# Altium PCB PROC114E3_BRD.PcbDoc (part 12 of 18) (continued)
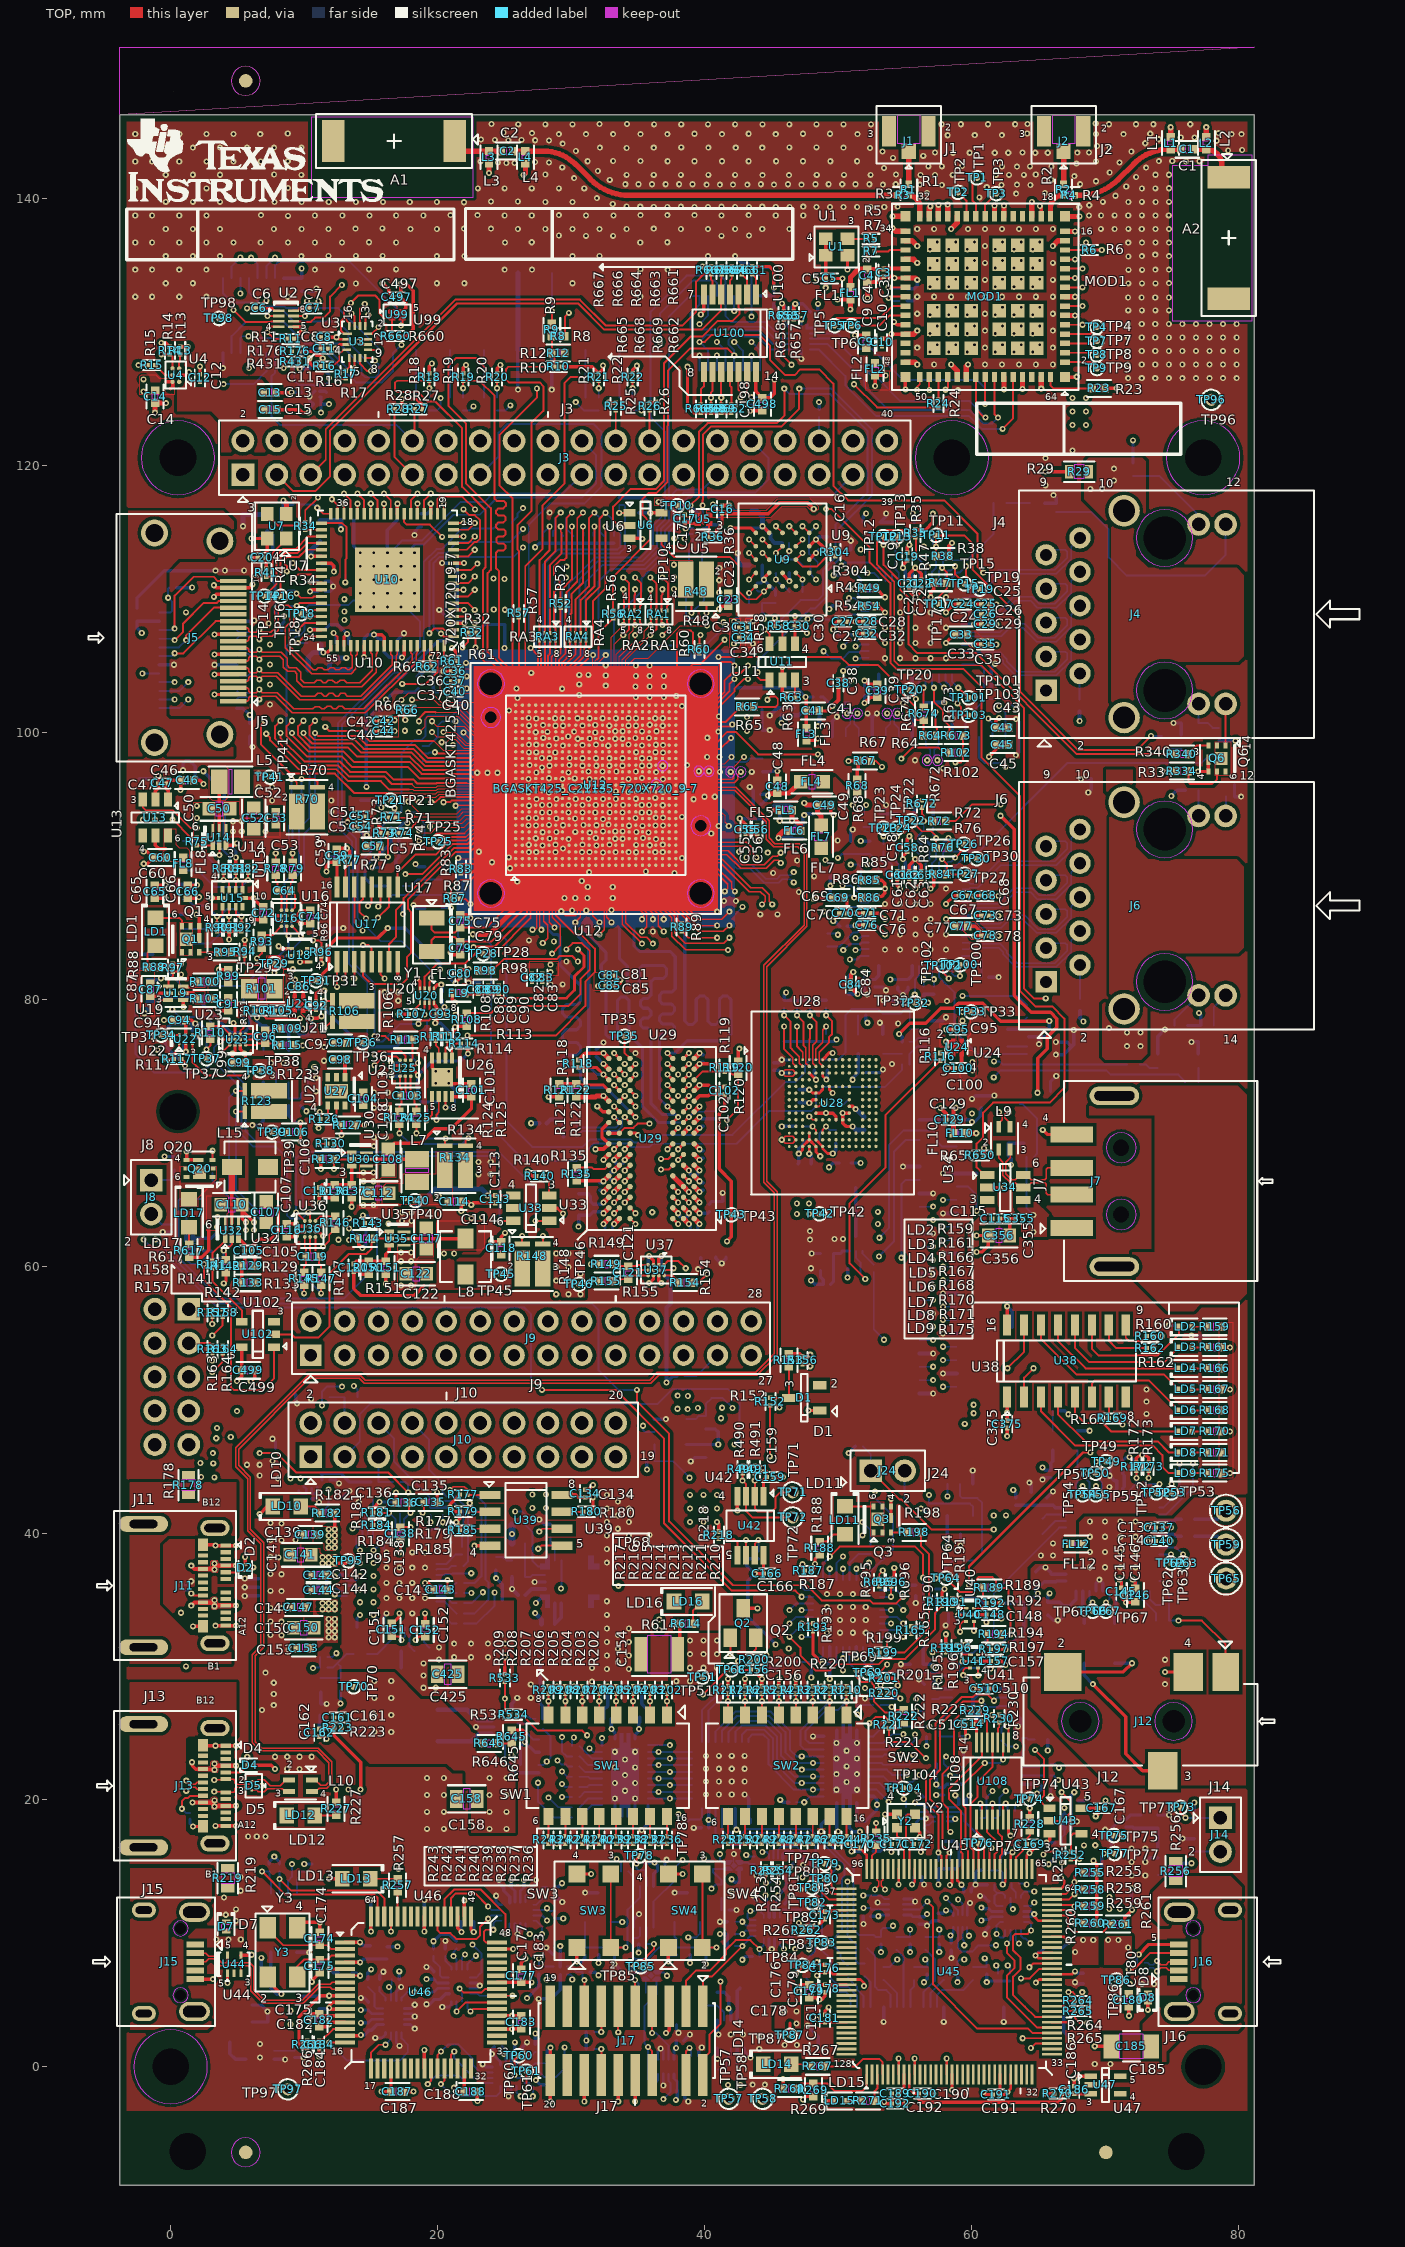
[diagram p0: TOP view]
## Nets (pads, with @x,y where several pads share a name; then routed paths per layer and width w, separated by ;. In a path a pad name is that pad's centre, name@x,y a point inside that pad or via, vN(x,y) a via of type N, cw(c..) or ccw(c..) an arc to the next point about the centre after c; other vN are vias at no path point) (continued)
SOC_VOUT0_DATA12:  | length 36.3
  TOP w0.081: 36.36,102.045 36.36,102.314 36.423,102.377 36.423,103.695 v1(36.961,104.233)
  TOP w0.147: 21.195,115.19 22.288,115.19 v1(22.788,115.69)
  L08_SIG2 w0.091: v1(22.788,115.69) 23.684,115.69 26.137,113.236 32.625,113.236 33.166,112.695 33.166,110.47 33.963,109.673 41.881,109.673 42.608,108.945 42.608,107.999 42.298,107.688 41.304,107.688 39.931,106.315 39.043,106.315 v1(36.961,104.233)
SOC_VOUT0_DATA13:  | length 36.4
  TOP w0.081: 35.86,101.545 36.109,101.794 36.109,102.346 36.248,102.485 36.248,103.092 v1(35.898,103.443)
  TOP w0.147: 21.195,114.69 v1(21.944,114.69)
  L08_SIG2 w0.091: v1(21.944,114.69) 21.944,115.137 22.047,115.241 23.287,115.241 23.367,115.16 23.367,114.974 23.448,114.894 23.562,114.894 23.642,114.974 23.642,115.16 23.722,115.241 23.849,115.241 26.051,113.039 32.485,113.039 32.973,112.551 32.973,110.385 33.891,109.467 40.36,109.467 40.943,108.884 40.943,108.742 40.863,108.661 40.662,108.661 40.582,108.581 40.582,108.467 40.662,108.387 40.863,108.387 40.943,108.307 40.943,108.193 40.863,108.113 40.662,108.113 40.582,108.033 40.582,107.919 40.662,107.838 40.863,107.838 40.943,107.758 40.943,107.587 40.852,107.496 40.401,107.496 40.283,107.377 40.283,106.925 39.874,106.516 38.966,106.516 37.167,104.717 36.856,104.717 36.315,104.176 36.315,103.86 v1(35.898,103.443)
SOC_VOUT0_DATA14:  | length 37.9
  TOP w0.102: 35.361,100.545 35.87,100.545 v1(35.903,100.578)
  TOP w0.147: 21.195,114.19 22.288,114.19 v1(22.788,114.69)
  L08_SIG2 w0.091: v1(22.788,114.69) 24.01,114.69 25.856,112.843 30.248,112.843 30.328,112.763 30.328,112.503 30.408,112.423 30.522,112.423 30.602,112.503 30.602,112.763 30.682,112.843 30.796,112.843 30.876,112.763 30.876,112.503 30.957,112.423 31.071,112.423 31.151,112.503 31.151,112.763 31.231,112.843 31.345,112.843 31.425,112.763 31.425,112.503 31.505,112.423 31.619,112.423 31.699,112.503 31.699,112.763 31.78,112.843 32.337,112.843 32.779,112.401 32.779,110.288 33.805,109.263 38.421,109.263 38.641,109.043 38.641,108.173 38.739,108.075 39.259,108.075 39.339,107.994 39.339,107.881 39.259,107.8 38.739,107.8 38.658,107.72 38.658,107.606 38.739,107.526 39.259,107.526 39.339,107.446 39.339,107.332 39.259,107.252 38.739,107.252 38.658,107.171 38.658,107.058 38.739,106.977 39.259,106.977 39.339,106.897 39.339,106.783 39.259,106.703 38.739,106.703 38.658,106.623 38.658,106.467 37.162,104.971 36.664,104.971 36.328,104.636 35.616,104.636 35.525,104.545 35.525,100.957 v1(35.903,100.578)
SOC_VOUT0_DATA15:  | length 39.4
  TOP w0.147: 21.195,113.69 22.206,113.69 22.618,114.102 22.618,114.104 22.801,114.286 22.955,114.286 23.191,114.523 23.191,115.886 22.796,116.282 22.379,116.282 v1(21.944,116.718) ; v1(35.323,100.079) 35.356,100.045 35.86,100.045
  L03_SIG1 w0.091: v1(21.944,116.718) 22.39,117.164 25.069,117.164 25.447,116.785 25.447,113.4 29.312,109.535 37.321,109.535 39.078,107.777 39.078,105.989 38.06,104.972 38.06,103.48 37.51,102.929 37.51,101.764 37.415,101.669 35.449,101.669 35.323,101.542 v1(35.323,100.079)
SOC_VOUT0_DATA16:  | length 38.5
  TOP w0.081: 32.86,101.545 33.112,101.796 33.112,102.325 33.235,102.448 33.235,106.602 v1(33.92,107.287)
  TOP w0.147: 21.195,113.19 22.288,113.19 v1(22.788,113.69) ; v1(33.92,107.287) 34.363,107.731 34.363,108.573
  L08_SIG2 w0.091: v1(22.788,113.69) 22.412,113.69 22.264,113.838 20.876,113.838 20.735,113.697 20.735,113.225 20.827,113.133 21,113.133 21.08,113.214 21.08,113.5 21.16,113.58 21.274,113.58 21.354,113.5 21.354,113.214 21.435,113.133 21.548,113.133 21.629,113.214 21.629,113.5 21.709,113.58 21.823,113.58 21.903,113.5 21.903,113.214 21.983,113.133 23.027,113.133 23.755,113.861 23.949,113.861 24.068,113.742 24.068,113.629 23.836,113.397 23.836,113.284 23.917,113.203 24.03,113.203 24.262,113.435 24.376,113.435 24.456,113.354 24.456,113.241 24.224,113.009 24.224,112.896 24.305,112.815 24.418,112.815 24.65,113.047 24.764,113.047 24.845,112.966 24.845,112.853 24.612,112.621 24.612,112.508 24.693,112.427 24.806,112.427 25.039,112.659 25.152,112.659 25.233,112.578 25.233,112.465 25,112.233 25,112.119 25.081,112.039 25.195,112.039 25.427,112.271 25.54,112.271 25.738,112.072 25.738,111.846 25.818,111.766 25.932,111.766 26.012,111.846 26.012,112.118 26.092,112.198 26.206,112.198 26.286,112.118 26.286,111.846 26.366,111.766 26.48,111.766 26.561,111.846 26.561,112.118 26.641,112.198 26.755,112.198 26.835,112.118 26.835,111.846 26.915,111.766 27.029,111.766 27.109,111.846 27.109,112.118 27.189,112.198 27.303,112.198 27.383,112.118 27.383,111.846 27.464,111.766 27.578,111.766 27.658,111.846 27.658,112.118 27.738,112.198 27.998,112.198 28.132,112.065 28.132,111.952 27.999,111.819 27.999,111.706 28.08,111.625 28.193,111.625 28.326,111.757 28.439,111.757 28.52,111.677 28.52,111.563 28.388,111.431 28.388,111.318 28.468,111.237 28.582,111.237 28.714,111.369 28.827,111.369 29.174,111.023 32.027,111.023 32.148,110.902 32.148,109.908 33.444,108.611 34.241,108.611 34.332,108.52 34.332,107.7 v1(33.92,107.287)
SOC_VOUT0_DATA17:  | length 37.8
  TOP w0.081: 32.86,102.045 32.86,102.529 33.014,102.682 33.014,107.134 v1(33.92,108.04)
  TOP w0.147: 21.195,112.19 22.528,112.19 v1(22.987,112.649) ; v1(33.92,108.04) 33.963,108.083 33.963,108.573
  L08_SIG2 w0.091: v1(22.987,112.649) 23.283,112.649 23.395,112.761 23.395,113.098 23.492,113.195 23.622,113.195 23.703,113.114 23.703,112.874 23.786,112.791 24.047,112.791 24.149,112.689 24.149,112.575 24.069,112.495 23.819,112.495 23.739,112.415 23.739,112.301 23.819,112.221 24.406,112.221 24.494,112.132 24.494,112.019 24.414,111.939 23.9,111.939 23.808,111.847 23.808,110.881 23.899,110.789 24.15,110.789 24.231,110.87 24.231,111.017 24.311,111.097 24.425,111.097 24.505,111.017 24.505,110.87 24.585,110.789 24.699,110.789 24.779,110.87 24.779,111.017 24.859,111.097 24.973,111.097 25.054,111.017 25.054,110.87 25.134,110.789 25.333,110.789 25.414,110.87 25.414,111.508 25.494,111.588 25.608,111.588 25.688,111.508 25.688,110.87 25.768,110.789 25.882,110.789 25.962,110.87 25.962,111.508 26.043,111.588 26.156,111.588 26.237,111.508 26.237,110.87 26.317,110.789 26.431,110.789 26.511,110.87 26.511,111.508 26.591,111.588 26.705,111.588 26.785,111.508 26.785,110.87 26.866,110.789 26.979,110.789 27.06,110.87 27.06,111.508 27.14,111.588 27.254,111.588 27.334,111.508 27.334,110.87 27.414,110.789 27.528,110.789 27.608,110.87 27.608,111.508 27.689,111.588 27.802,111.588 27.883,111.508 27.883,110.876 27.963,110.796 28.063,110.796 28.144,110.876 28.144,111.005 28.224,111.085 28.338,111.085 28.418,111.005 28.418,110.876 28.498,110.796 28.932,110.796 29.013,110.715 29.013,110.444 29.093,110.364 29.207,110.364 29.287,110.444 29.287,110.715 29.367,110.796 29.481,110.796 29.561,110.715 29.561,110.444 29.642,110.364 29.755,110.364 29.836,110.444 29.836,110.715 29.916,110.796 30.03,110.796 30.11,110.715 30.11,110.444 30.19,110.364 30.304,110.364 30.384,110.444 30.384,110.715 30.465,110.796 30.578,110.796 30.659,110.715 30.659,110.444 30.739,110.364 30.853,110.364 30.933,110.444 30.933,110.715 31.013,110.796 31.127,110.796 31.207,110.715 31.207,110.444 31.287,110.364 31.401,110.364 31.482,110.444 31.482,110.715 31.562,110.796 31.863,110.796 31.954,110.704 31.954,109.74 33.379,108.316 33.644,108.316 v1(33.92,108.04)
SOC_VOUT0_DATA18:  | length 37.8
  TOP w0.081: 33.361,102.045 33.361,102.194 33.397,102.231 33.397,105.857 34.352,106.812 34.352,107.369 34.654,107.67 34.654,107.88 v1(34.814,108.04)
  TOP w0.147: 21.195,111.69 v1(21.944,111.69) ; 34.763,108.573 34.763,108.091 v1(34.814,108.04)
  L08_SIG2 w0.091: v1(21.944,111.69) 20.256,111.69 20.15,111.796 20.15,112.172 20.242,112.263 20.375,112.263 20.455,112.183 20.455,112.03 20.535,111.949 20.649,111.949 20.729,112.03 20.729,112.183 20.81,112.263 20.924,112.263 21.004,112.183 21.004,112.03 21.084,111.949 21.198,111.949 21.278,112.03 21.278,112.183 21.358,112.263 23.45,112.263 23.541,112.172 23.541,112.073 23.461,111.993 23.243,111.993 23.163,111.912 23.163,111.799 23.243,111.718 23.461,111.718 23.541,111.638 23.541,111.524 23.461,111.444 23.243,111.444 23.163,111.364 23.163,111.25 23.243,111.17 23.461,111.17 23.541,111.089 23.541,110.976 23.461,110.895 23.272,110.895 23.192,110.815 23.192,110.701 23.272,110.621 23.461,110.621 23.541,110.541 23.541,110.423 23.802,110.162 23.956,110.162 24.036,110.242 24.036,110.502 24.117,110.582 24.23,110.582 24.311,110.502 24.311,110.242 24.391,110.162 24.505,110.162 24.585,110.242 24.585,110.502 24.665,110.582 24.779,110.582 24.859,110.502 24.859,110.242 24.939,110.162 25.053,110.162 25.134,110.242 25.134,110.502 25.214,110.582 25.328,110.582 25.408,110.502 25.408,110.242 25.488,110.162 25.602,110.162 25.682,110.242 25.682,110.502 25.762,110.582 25.876,110.582 25.957,110.502 25.957,110.242 26.037,110.162 26.151,110.162 26.231,110.242 26.231,110.502 26.311,110.582 26.425,110.582 26.505,110.502 26.505,110.242 26.585,110.162 26.699,110.162 26.779,110.242 26.779,110.502 26.86,110.582 26.974,110.582 27.054,110.502 27.054,110.242 27.134,110.162 27.248,110.162 27.328,110.242 27.328,110.502 27.408,110.582 27.522,110.582 27.602,110.502 27.602,110.242 27.683,110.162 27.796,110.162 27.877,110.242 27.877,110.502 27.957,110.582 28.071,110.582 28.151,110.502 28.151,110.242 28.231,110.162 28.345,110.162 28.425,110.242 28.425,110.502 28.506,110.582 28.619,110.582 28.7,110.502 28.7,110.242 28.78,110.162 31.615,110.162 31.761,110.015 31.761,109.643 33.515,107.889 33.515,107.161 33.744,106.931 34.184,106.931 34.275,107.023 34.275,107.282 34.548,107.555 34.548,107.774 v1(34.814,108.04)
SOC_VOUT0_DATA19:  | length 38.4
  TOP w0.102: 32.86,100.045 33.276,100.045 v1(33.318,100.087)
  TOP w0.147: 21.195,111.19 22.288,111.19 v1(22.788,111.69) ; v1(36.846,107.287) 37.288,107.729 37.288,108.152 37.195,108.245 37.195,108.573
  L08_SIG2 w0.091: v1(22.788,111.69) 22.364,111.266 22.364,110.278 22.258,110.172 21.626,110.172 21.517,110.063 21.517,109.913 21.629,109.802 23.027,109.802 24.041,108.789 25.394,108.789 25.474,108.869 25.474,109.36 25.555,109.44 25.668,109.44 25.749,109.36 25.749,108.869 25.829,108.789 25.943,108.789 26.023,108.869 26.023,109.36 26.103,109.44 26.217,109.44 26.297,109.36 26.297,108.869 26.378,108.789 32.069,108.789 33.059,107.799 33.059,106.962 33.467,106.554 34.749,106.554 35.193,106.998 35.193,108.086 35.716,108.609 36.863,108.609 37.229,108.243 37.229,107.67 v1(36.846,107.287) 36.846,106.911 36.434,106.499 36.031,106.499 35.151,105.619 34.405,105.619 33.732,104.946 33.732,100.5 v1(33.318,100.087)
SOC_VOUT0_DATA20:  | length 37.8
  TOP w0.102: 33.361,100.545 v1(33.361,101.061)
  TOP w0.147: 21.195,110.69 v1(21.944,110.69) ; 36.795,108.573 36.795,108.091 v1(36.846,108.04)
  L08_SIG2 w0.091: v1(21.944,110.69) 21.944,111.15 21.736,111.357 20.269,111.357 20.178,111.266 20.178,110.894 21.474,109.597 22.929,109.597 23.933,108.594 24.104,108.594 24.184,108.513 24.184,108.431 24.264,108.351 24.378,108.351 24.458,108.431 24.458,108.513 24.539,108.594 24.652,108.594 24.733,108.513 24.733,108.431 24.813,108.351 24.927,108.351 25.007,108.431 25.007,108.513 25.087,108.594 25.201,108.594 25.281,108.513 25.281,108.431 25.362,108.351 25.475,108.351 25.556,108.431 25.556,108.513 25.636,108.594 25.75,108.594 25.83,108.513 25.83,108.431 25.91,108.351 26.024,108.351 26.104,108.431 26.104,108.513 26.185,108.594 26.298,108.594 26.379,108.513 26.379,108.431 26.459,108.351 26.573,108.351 26.653,108.431 26.653,108.513 26.733,108.594 26.847,108.594 26.927,108.513 26.927,108.431 27.008,108.351 27.121,108.351 27.202,108.431 27.202,108.513 27.282,108.594 27.396,108.594 27.476,108.513 27.476,108.431 27.556,108.351 27.67,108.351 27.75,108.431 27.75,108.513 27.831,108.594 27.944,108.594 28.025,108.513 28.025,108.431 28.105,108.351 28.219,108.351 28.299,108.431 28.299,108.513 28.379,108.594 28.493,108.594 28.573,108.513 28.573,108.431 28.653,108.351 28.767,108.351 28.848,108.431 28.848,108.513 28.928,108.594 29.042,108.594 29.122,108.513 29.122,108.431 29.202,108.351 29.316,108.351 29.396,108.431 29.396,108.513 29.476,108.594 29.59,108.594 29.671,108.513 29.671,108.431 29.751,108.351 29.865,108.351 29.945,108.431 29.945,108.513 30.025,108.594 30.139,108.594 30.219,108.513 30.219,108.431 30.299,108.351 30.413,108.351 30.493,108.431 30.493,108.513 30.574,108.594 31.991,108.594 32.812,107.773 32.812,106.95 33.391,106.371 34.831,106.371 35.386,106.926 35.386,108.006 35.796,108.416 36.47,108.416 v1(36.846,108.04) 36.426,107.62 36.426,106.999 36.221,106.794 36.067,106.794 35.075,105.801 34.262,105.801 33.361,104.9 v1(33.361,101.061)
SOC_VOUT0_DATA21:  | length 39.5
  TOP w0.081: 33.361,101.545 33.612,101.796 33.612,105.672 34.814,106.874 v1(34.814,107.287)
  TOP w0.147: 21.195,110.19 22.288,110.19 v1(22.788,110.69) ; v1(34.814,107.287) 35.256,107.729 35.256,108.152 35.163,108.245 35.163,108.573
  L08_SIG2 w0.091: v1(22.788,110.69) 23.054,110.424 23.054,110.147 23.566,109.635 24.223,109.635 24.303,109.715 24.303,109.88 24.384,109.961 24.498,109.961 24.578,109.88 24.578,109.715 24.658,109.635 24.772,109.635 24.852,109.715 24.852,109.88 24.932,109.961 25.046,109.961 25.126,109.88 25.126,109.715 25.207,109.635 25.32,109.635 25.401,109.715 25.401,109.88 25.481,109.961 25.595,109.961 25.675,109.88 25.675,109.715 25.755,109.635 25.869,109.635 25.949,109.715 25.949,109.88 26.03,109.961 26.143,109.961 26.224,109.88 26.224,109.715 26.304,109.635 26.498,109.635 26.59,109.726 26.59,109.834 26.681,109.925 26.801,109.925 26.881,109.845 26.881,109.094 26.961,109.014 27.075,109.014 27.155,109.094 27.155,109.845 27.236,109.925 27.349,109.925 27.43,109.845 27.43,109.094 27.51,109.014 27.624,109.014 27.704,109.094 27.704,109.845 27.784,109.925 27.898,109.925 27.978,109.845 27.978,109.094 28.059,109.014 28.172,109.014 28.253,109.094 28.253,109.845 28.333,109.925 28.447,109.925 28.527,109.845 28.527,109.094 28.607,109.014 28.721,109.014 28.801,109.094 28.801,109.845 28.882,109.925 28.995,109.925 29.076,109.845 29.076,109.094 29.156,109.014 29.27,109.014 29.35,109.094 29.35,109.845 29.43,109.925 29.544,109.925 29.624,109.845 29.624,109.094 29.705,109.014 29.818,109.014 29.899,109.094 29.899,109.845 29.979,109.925 30.093,109.925 30.173,109.845 30.173,109.094 30.253,109.014 30.367,109.014 30.447,109.094 30.447,109.845 30.527,109.925 30.641,109.925 30.722,109.845 30.722,109.094 30.802,109.014 30.916,109.014 30.996,109.094 30.996,109.845 31.076,109.925 31.206,109.925 33.284,107.847 33.284,107.002 33.549,106.737 34.391,106.737 34.548,106.894 34.548,107.021 v1(34.814,107.287)
SOC_VOUT0_DATA22:  | length 38.1
  TOP w0.081: 33.86,102.045 33.86,105.445 35.501,107.085 35.501,107.589 v1(35.952,108.04)
  TOP w0.147: 21.195,109.69 22.288,109.69 v1(22.788,109.19) ; v1(35.952,108.04) 35.995,108.083 35.995,108.573
  L08_SIG2 w0.091: v1(22.788,109.19) 23.911,108.067 27.247,108.067 27.327,107.987 27.327,107.342 27.407,107.262 27.521,107.262 27.601,107.342 27.601,107.987 27.681,108.067 27.795,108.067 27.875,107.987 27.875,107.342 27.956,107.262 28.07,107.262 28.15,107.342 28.15,107.987 28.23,108.067 28.344,108.067 28.424,107.987 28.424,107.342 28.504,107.262 28.618,107.262 28.698,107.342 28.698,107.987 28.779,108.067 28.892,108.067 28.973,107.987 28.973,107.342 29.053,107.262 29.167,107.262 29.247,107.342 29.247,107.987 29.327,108.067 29.441,108.067 29.521,107.987 29.521,107.342 29.602,107.262 29.715,107.262 29.796,107.342 29.796,107.987 29.876,108.067 29.99,108.067 30.07,107.987 30.07,107.342 30.15,107.262 30.264,107.262 30.344,107.342 30.344,107.987 30.425,108.067 30.538,108.067 30.619,107.987 30.619,107.342 30.699,107.262 30.813,107.262 30.893,107.342 30.893,107.987 30.973,108.067 31.087,108.067 31.167,107.987 31.167,107.342 31.248,107.262 31.361,107.262 31.442,107.342 31.442,107.987 31.522,108.067 31.636,108.067 31.716,107.987 31.716,107.342 31.796,107.262 31.91,107.262 31.99,107.342 31.99,107.987 32.071,108.067 32.242,108.067 32.562,107.747 32.562,106.942 33.315,106.188 34.92,106.188 35.585,106.853 35.585,107.673 v1(35.952,108.04)
SOC_VOUT0_DATA23:  | length 38.8
  TOP w0.081: 33.86,101.545 34.111,101.795 34.111,105.446 v1(35.952,107.287)
  TOP w0.147: 21.195,108.69 22.288,108.69 v1(22.788,108.19) ; v1(35.952,107.287) 36.395,107.731 36.395,108.573
  L08_SIG2 w0.091: v1(22.788,108.19) 23.218,107.76 26.392,107.76 26.472,107.679 26.472,107.064 26.552,106.984 26.666,106.984 26.746,107.064 26.746,107.679 26.827,107.76 26.974,107.76 27.087,107.647 27.087,107.096 27.247,106.936 28.875,106.936 28.955,106.856 28.955,106.277 29.035,106.196 29.149,106.196 29.229,106.277 29.229,106.856 29.31,106.936 29.423,106.936 29.504,106.856 29.504,106.277 29.584,106.196 29.698,106.196 29.778,106.277 29.778,106.856 29.858,106.936 29.972,106.936 30.052,106.856 30.052,106.277 30.133,106.196 30.246,106.196 30.327,106.277 30.327,106.856 30.407,106.936 30.521,106.936 30.601,106.856 30.601,106.277 30.681,106.196 30.795,106.196 30.875,106.277 30.875,106.856 30.955,106.936 31.069,106.936 31.15,106.856 31.15,106.277 31.23,106.196 31.344,106.196 31.424,106.277 31.424,106.856 31.504,106.936 31.618,106.936 31.698,106.856 31.698,106.277 31.778,106.196 31.892,106.196 31.973,106.277 31.973,106.856 32.053,106.936 32.213,106.936 32.349,106.8 32.349,106.171 32.183,106.006 32.183,104.048 32.326,103.904 33.004,103.904 33.106,104.006 33.106,105.914 33.198,106.005 34.997,106.005 35.803,106.811 35.803,107.138 v1(35.952,107.287)
SOC_VOUT0_DE:  | length 38.1
  TOP w0.147: v1(12.995,117.907) 13.495,117.407 13.495,116.39 ; 35.361,99.545 35.795,99.545 35.838,99.588 v1(35.853,99.588)
  L03_SIG1 w0.091: v1(12.995,117.907) 13.371,117.907 13.746,117.531 14.147,117.531 14.371,117.307 14.371,116.806 16.664,114.513 16.664,110.449 17.312,109.801 22.724,109.801 24.756,107.769 32.29,107.769 33.705,106.354 33.705,104.572 v1(34.834,103.443)
  BOTTOM w0.102: 35.422,100.512 35.853,100.081 v1(35.853,99.588)
  BOTTOM w0.147: v1(34.834,103.443) 35.422,102.855 35.422,100.512
SOC_VOUT0_HSYNC:  | length 38.8
  TOP w0.081: 36.36,101.545 36.611,101.796 36.611,103.092 v1(36.961,103.443)
  TOP w0.147: 12.995,116.39 v1(12.995,117.139)
  L03_SIG1 w0.091: v1(12.995,117.139) 13.745,116.389 14.332,116.389 15.853,114.868 15.853,109.1 16.164,108.789 22.725,108.789 24.122,107.392 32.408,107.392 33.522,106.278 33.522,103.964 34.089,103.398 34.089,102.746 34.557,102.278 36.191,102.278 36.569,102.655 36.569,103.05 v1(36.961,103.443)
SOC_VOUT0_PCLK:  | length 9.6
  TOP w0.081: 36.86,101.545 37.109,101.794 37.109,102.242 37.516,102.649 37.516,103.166
  TOP w0.147: 37.516,103.166 37.93,103.58 37.93,107.409 38.144,107.623 38.984,107.623 39.15,107.458 39.15,106.06 39.283,105.927 39.628,105.927
SOC_VOUT0_VSYNC:  | length 39.3
  TOP w0.081: 36.86,102.045 36.86,102.552 v1(36.961,102.653)
  TOP w0.147: v1(12.079,117.479) 12.495,117.063 12.495,116.39
  L03_SIG1 w0.091: v1(12.079,117.479) 12.345,117.213 12.345,117.009 13.237,116.117 14.296,116.117 15.64,114.773 15.64,108.799 15.868,108.57 21.334,108.57 21.624,108.28 21.624,107.333 21.748,107.209 32.332,107.209 33.34,106.202 33.34,103.888 33.906,103.322 33.906,102.609 34.422,102.093 36.402,102.093 v1(36.961,102.653)
SOC_WARM_RESETZ:  | length 140.4
  TOP w0.102: v1(27.923,99.591) 27.969,99.545 28.36,99.545
  TOP w0.147: 35.213,7.496 35.213,7.803 36.209,8.799 v1(36.209,9.198)
  L03_SIG1 w0.091: v1(27.923,99.591) 27.28,99.591 27.076,99.795 26.647,99.795 25.668,98.816 21.917,98.816 21.296,99.437 20.931,99.437 20.769,99.275 20.769,98.662 19.967,97.861 16.078,97.861 13.933,95.716 13.933,92.592 12.485,91.144 12.485,89.578 11.909,89.002 11.36,89.002 8.879,86.52 8.879,85.634 6.841,83.596 6.841,78.467 6.826,78.452 6.826,61.069 5.596,59.84 5.596,49.941 5.876,49.661 5.876,46.693 4.916,45.733 4.916,43.445 5.832,42.53 7.076,42.53 9.779,39.827 9.779,32.461 9.539,32.221 9.539,25.31 11.031,23.818 11.031,17.881 16.092,12.82 16.092,11.364 20.131,7.325 20.131,6.844 21.981,4.994 24.507,4.994 24.787,4.714 32.036,4.714 36.209,8.887 v1(36.209,9.198)
  BOTTOM w0.147: 35.683,10.441 35.683,9.721 35.632,9.67 35.632,9.198 v1(36.209,9.198)
SPI_HOLDN:  | length 1.6
  TOP w0.147: 29.333,41.59 30.895,41.59
SPI_WPN:  | length 1.8
  TOP w0.147: 22.219,40.193 22.572,40.193 22.699,40.32 23.933,40.32
SW_1V8_IO:  | length 3.7
  TOP w0.254: 3.646,92.641 3.646,96.302
SW_2V5:  | length 3.7
  BOTTOM w0.254: 51.347,62.238 51.347,65.898
SW_RCORE:  | length 4.2
  TOP w0.254: 4.585,63.199 4.585,65.54
  TOP w0.508: 4.585,65.54 4.585,67.425
SW_VCC1V2:  | length 3.8
  TOP w0.254: 14.667,68.006 18.454,68.006
SW_VDD_CORE:  | length 4.6
  TOP w0.254: 17.487,62.062 22.087,62.062
SYS_BOOTMODE0:  | length 13.5
  TOP w0.147: 37.2,26.375 v1(37.2,27.391) 37.2,27.95
  L03_SIG1 w0.091: v1(37.2,27.391) 38.887,25.704 38.887,21.579 v1(37.413,20.104)
  BOTTOM w0.147: 35.775,20.104 v1(37.413,20.104) 39.069,20.104
SYS_BOOTMODE1:  | length 14.6
  TOP w0.147: 35.93,26.375 v1(35.93,27.391) 35.93,27.95
  L03_SIG1 w0.091: v1(35.93,27.391) 36.54,27.391 38.659,25.273 38.659,21.641 37.622,20.604 v1(36.575,20.604)
  BOTTOM w0.147: 35.775,20.604 v1(36.575,20.604) 39.069,20.604
SYS_BOOTMODE2:  | length 14.2
  TOP w0.147: 34.66,26.375 v1(34.66,27.391) 34.66,27.95
  L03_SIG1 w0.091: v1(34.66,27.391) 35.076,26.975 36.551,26.975 38.456,25.07 38.456,21.844 37.715,21.104 v1(37.413,21.104)
  BOTTOM w0.147: 35.775,21.104 v1(37.413,21.104) 39.069,21.104
SYS_BOOTMODE3:  | length 15.5
  TOP w0.147: 33.39,26.375 v1(33.39,27.391) 33.39,27.95
  L03_SIG1 w0.091: v1(33.39,27.391) 34.086,26.695 36.475,26.695 38.252,24.918 38.252,22.098 37.759,21.604 v1(36.575,21.604)
  BOTTOM w0.147: 35.775,21.604 v1(36.575,21.604) 39.069,21.604
SYS_BOOTMODE4:  | length 15
  TOP w0.147: 32.12,26.375 v1(32.12,27.391) 32.12,27.95
  L03_SIG1 w0.091: v1(32.12,27.391) 33.009,26.502 36.312,26.502 38.044,24.77 38.044,22.372 37.776,22.104 v1(37.413,22.104)
  BOTTOM w0.147: 35.775,22.104 v1(37.413,22.104) 39.069,22.104
SYS_BOOTMODE5:  | length 16.2
  TOP w0.147: 30.85,26.375 v1(30.85,27.391) 30.85,27.95
  L03_SIG1 w0.091: v1(30.85,27.391) 31.977,26.264 36.22,26.264 37.851,24.633 37.851,22.865 37.59,22.604 v1(36.575,22.604)
  BOTTOM w0.147: 35.775,22.604 v1(36.575,22.604) 39.069,22.604
SYS_BOOTMODE6:  | length 15.3
  TOP w0.147: 29.58,26.375 v1(29.58,27.391) 29.58,27.95
  L03_SIG1 w0.091: v1(29.58,27.391) 30.9,26.071 35.789,26.071 36.906,24.953 36.906,23.986 37.084,23.809 37.084,23.433 v1(37.413,23.104)
  BOTTOM w0.147: 35.775,23.104 v1(37.413,23.104) 39.069,23.104
SYS_BOOTMODE7:  | length 15.3
  TOP w0.147: 28.31,26.375 v1(28.31,27.391) 28.31,27.95
  L03_SIG1 w0.091: v1(28.31,27.391) 29.869,25.832 35.382,25.832 36.575,24.639 v1(36.575,23.604)
  BOTTOM w0.147: 35.775,23.604 v1(36.575,23.604) 39.069,23.604
SYS_BOOTMODE8:  | length 21.8
  TOP w0.147: 50.662,26.375 v1(50.662,27.391) 50.662,27.95
  BOTTOM w0.147: 39.818,24.354 39.818,26.712 41.25,28.143 48.489,28.143 48.743,27.889 50.164,27.889 v1(50.662,27.391) 49.991,26.721 49.138,26.721 47.574,25.157 47.574,24.536 47.846,24.265 48.937,24.265
SYS_BOOTMODE9:  | length 19.7
  TOP w0.147: 49.392,26.375 v1(49.392,27.391) 49.392,27.95
  BOTTOM w0.147: 40.318,24.354 40.318,26.704 41.453,27.838 48.336,27.838 48.783,27.391 v1(49.392,27.391) 47.193,25.193 47.193,24.105 47.533,23.764 48.937,23.764
SYS_BOOTMODE10:  | length 17.8
  TOP w0.147: 48.122,26.375 v1(48.122,27.391) 48.122,27.95
  L03_SIG1 w0.091: v1(47.299,23.265) 47.299,26.569 v1(48.122,27.391)
  BOTTOM w0.147: 40.818,24.354 40.818,25.117 42.315,26.614 44.987,26.614 46.405,25.197 46.405,23.774 46.914,23.265 v1(47.299,23.265) 48.937,23.265
SYS_BOOTMODE11:  | length 18.8
  TOP w0.147: 46.852,26.375 v1(46.852,27.391) 46.852,27.95
  L03_SIG1 w0.091: v1(46.852,27.391) 46.457,26.996 46.457,23.571 47.263,22.764 v1(48.137,22.764)
  BOTTOM w0.147: 41.318,24.354 41.318,25.186 42.407,26.274 44.87,26.274 46.064,25.08 46.064,23.569 46.868,22.764 v1(48.137,22.764) 48.937,22.764
SYS_BOOTMODE12:  | length 18.1
  TOP w0.147: 45.582,26.375 v1(45.582,27.391) 45.582,27.95
  L03_SIG1 w0.091: v1(45.582,27.391) 45.582,23.982 v1(47.299,22.265)
  BOTTOM w0.147: 41.818,24.354 41.818,25.101 42.635,25.918 44.743,25.918 45.749,24.912 45.749,23.299 46.784,22.265 v1(47.299,22.265) 48.937,22.265
SYS_BOOTMODE13:  | length 19.5
  TOP w0.147: 44.312,26.375 v1(44.312,27.391) 44.312,27.95
  L03_SIG1 w0.091: v1(44.312,27.391) 44.312,24.573 47.12,21.764 v1(48.137,21.764)
  BOTTOM w0.147: 42.318,24.354 42.318,25.093 42.788,25.563 44.617,25.563 45.455,24.725 45.455,23.061 46.751,21.764 v1(48.137,21.764) 48.937,21.764
SYS_BOOTMODE14:  | length 18.9
  TOP w0.147: 43.042,26.375 v1(43.042,27.391) 43.042,27.95
  L03_SIG1 w0.091: v1(43.042,27.391) 43.042,25.522 v1(47.299,21.265)
  BOTTOM w0.147: 42.818,24.354 42.818,24.882 43.194,25.258 44.489,25.258 45.124,24.623 45.124,22.921 46.781,21.265 v1(47.299,21.265) 48.937,21.265
SYS_BOOTMODE15:  | length 20.2
  TOP w0.147: 41.772,26.375 v1(41.772,27.391) 41.772,27.95
  L03_SIG1 w0.091: v1(41.772,27.391) 41.772,26.148 47.155,20.764 v1(48.137,20.764)
  BOTTOM w0.147: 43.318,24.354 43.318,24.62 43.6,24.902 44.413,24.902 44.815,24.5 44.815,22.659 46.709,20.764 v1(48.137,20.764) 48.937,20.764
SYSBOOT_BUF_ENZ:  | length 22.3
  TOP w0.147: 54.924,25.762 54.962,25.762 54.564,25.364 53.828,25.364 53.828,24.633 54.127,24.333 55.397,24.333 v1(56.604,23.127) ; v1(64.77,23.749) 65.456,23.063 65.456,20.345 65.278,20.168 65.278,19.787 65.694,19.37 65.872,19.37
  L03_SIG1 w0.091: v1(56.604,23.127) 60.35,26.873 62.89,26.873 64.389,25.375 64.389,24.13 v1(64.77,23.749)
TCA6424_EXP_INT:  | length 2
  BOTTOM w0.147: 38.622,18.261 38.888,18.527 39.638,18.527 39.818,18.707 39.818,19.354
TEMP_DIODE_P: 
TEST_GPIO1:  | length 41.2
  L03_SIG1 w0.091: v1(56.554,8.044) 57.139,8.628 57.139,10.526 57.57,10.958 57.57,12.736 57.875,13.04 58.459,13.04 58.782,13.363 58.782,14.633 59.425,15.276 59.425,17.526 61.101,19.202 61.101,20.166 v1(61.594,20.659)
  L08_SIG2 w0.091: v1(38.79,9.7) 39.193,9.7 42.356,6.538 46.952,6.538 47.42,6.07 50.93,6.07 52.084,7.224 55.734,7.224 v1(56.554,8.044)
  BOTTOM w0.147: v1(38.79,9.7) 39.397,9.7 39.658,9.962 39.658,10.848 ; 55.699,7.485 56.715,7.485 56.715,7.889 56.567,8.037 56.562,8.037 v1(56.554,8.044) ; 60.679,18.626 61.018,18.626 61.138,18.745 61.138,20.203 v1(61.594,20.659)
TEST_GPIO1_XDS:  | length 4
  TOP w0.147: 60.394,18.512 60.394,17.66 61.087,16.967 61.087,16.519 60.958,16.39 60.958,14.837
TEST_GPIO2:  | length 15.8
  TOP w0.147: v1(54.94,20.066) 54.94,20.879
  L03_SIG1 w0.091: v1(54.94,20.066) 55.118,19.888 55.118,13.259 53.797,11.938 53.797,10.871 53.645,10.719 53.645,9.997 53.736,9.906 55.031,9.906 v1(55.419,10.294)
  BOTTOM w0.147: 54.403,9.735 55.419,9.735 v1(55.419,10.294) ; v1(54.94,20.066) 55.118,19.888 55.118,19.455
TEST_GPIO2_XDS:  | length 6.3
  TOP w0.147: 61.358,14.837 61.358,16.227 v1(61.518,16.387)
  BOTTOM w0.147: 58.184,19.098 59.236,19.098 59.487,18.847 59.487,18.418 v1(61.518,16.387)
TEST_GPIO3:  | length 45.5
  TOP w0.147: 65.872,18.42 66.807,18.42 67.437,19.05 67.437,19.914 v1(66.777,20.574) ; 75.692,19.431 75.692,19.03 v1(76.063,18.659)
  L03_SIG1 w0.091: v1(54.454,8.044) 54.454,8.48 55.804,9.83 55.804,11.176 55.321,11.659 55.321,12.518 55.869,13.066 56.504,13.066 56.935,13.498 56.935,14.412 57.963,15.439 57.963,19.224 58.269,19.53 58.269,20.372 59.004,21.107 62.136,21.107 v1(62.584,20.659)
  L08_SIG2 w0.091: v1(62.584,20.659) 64.093,20.659 64.491,21.057 66.294,21.057 v1(66.777,20.574) 67.208,21.006 69.698,21.006 70.495,20.208 74.513,20.208 v1(76.063,18.659)
  BOTTOM w0.147: 53.438,7.485 53.895,7.485 v1(54.454,8.044) ; 61.594,18.626 61.882,18.626 62.103,18.847 62.103,20.177 v1(62.584,20.659) ; v1(76.063,18.659) 76.72,18.659 78.675,18.659
TEST_GPIO3_XDS:  | length 4.1
  TOP w0.147: 61.194,18.512 61.194,17.588 61.968,16.813 61.968,16.152 61.758,15.941 61.758,14.837